# Altium PCB AL1000.PcbDoc (part 7 of 8)
Units mil, origin at the board's own origin, x right, y up, seen from the top; angles counter-clockwise.
Board outline 8277.75 x 4143.89 mil, 4 copper layers (Component Side, Ground Plane, Power Plane, Solder Side), stack 33.234 mil thick; 485 components, 360 nets, 1548 pads, 394 vias.
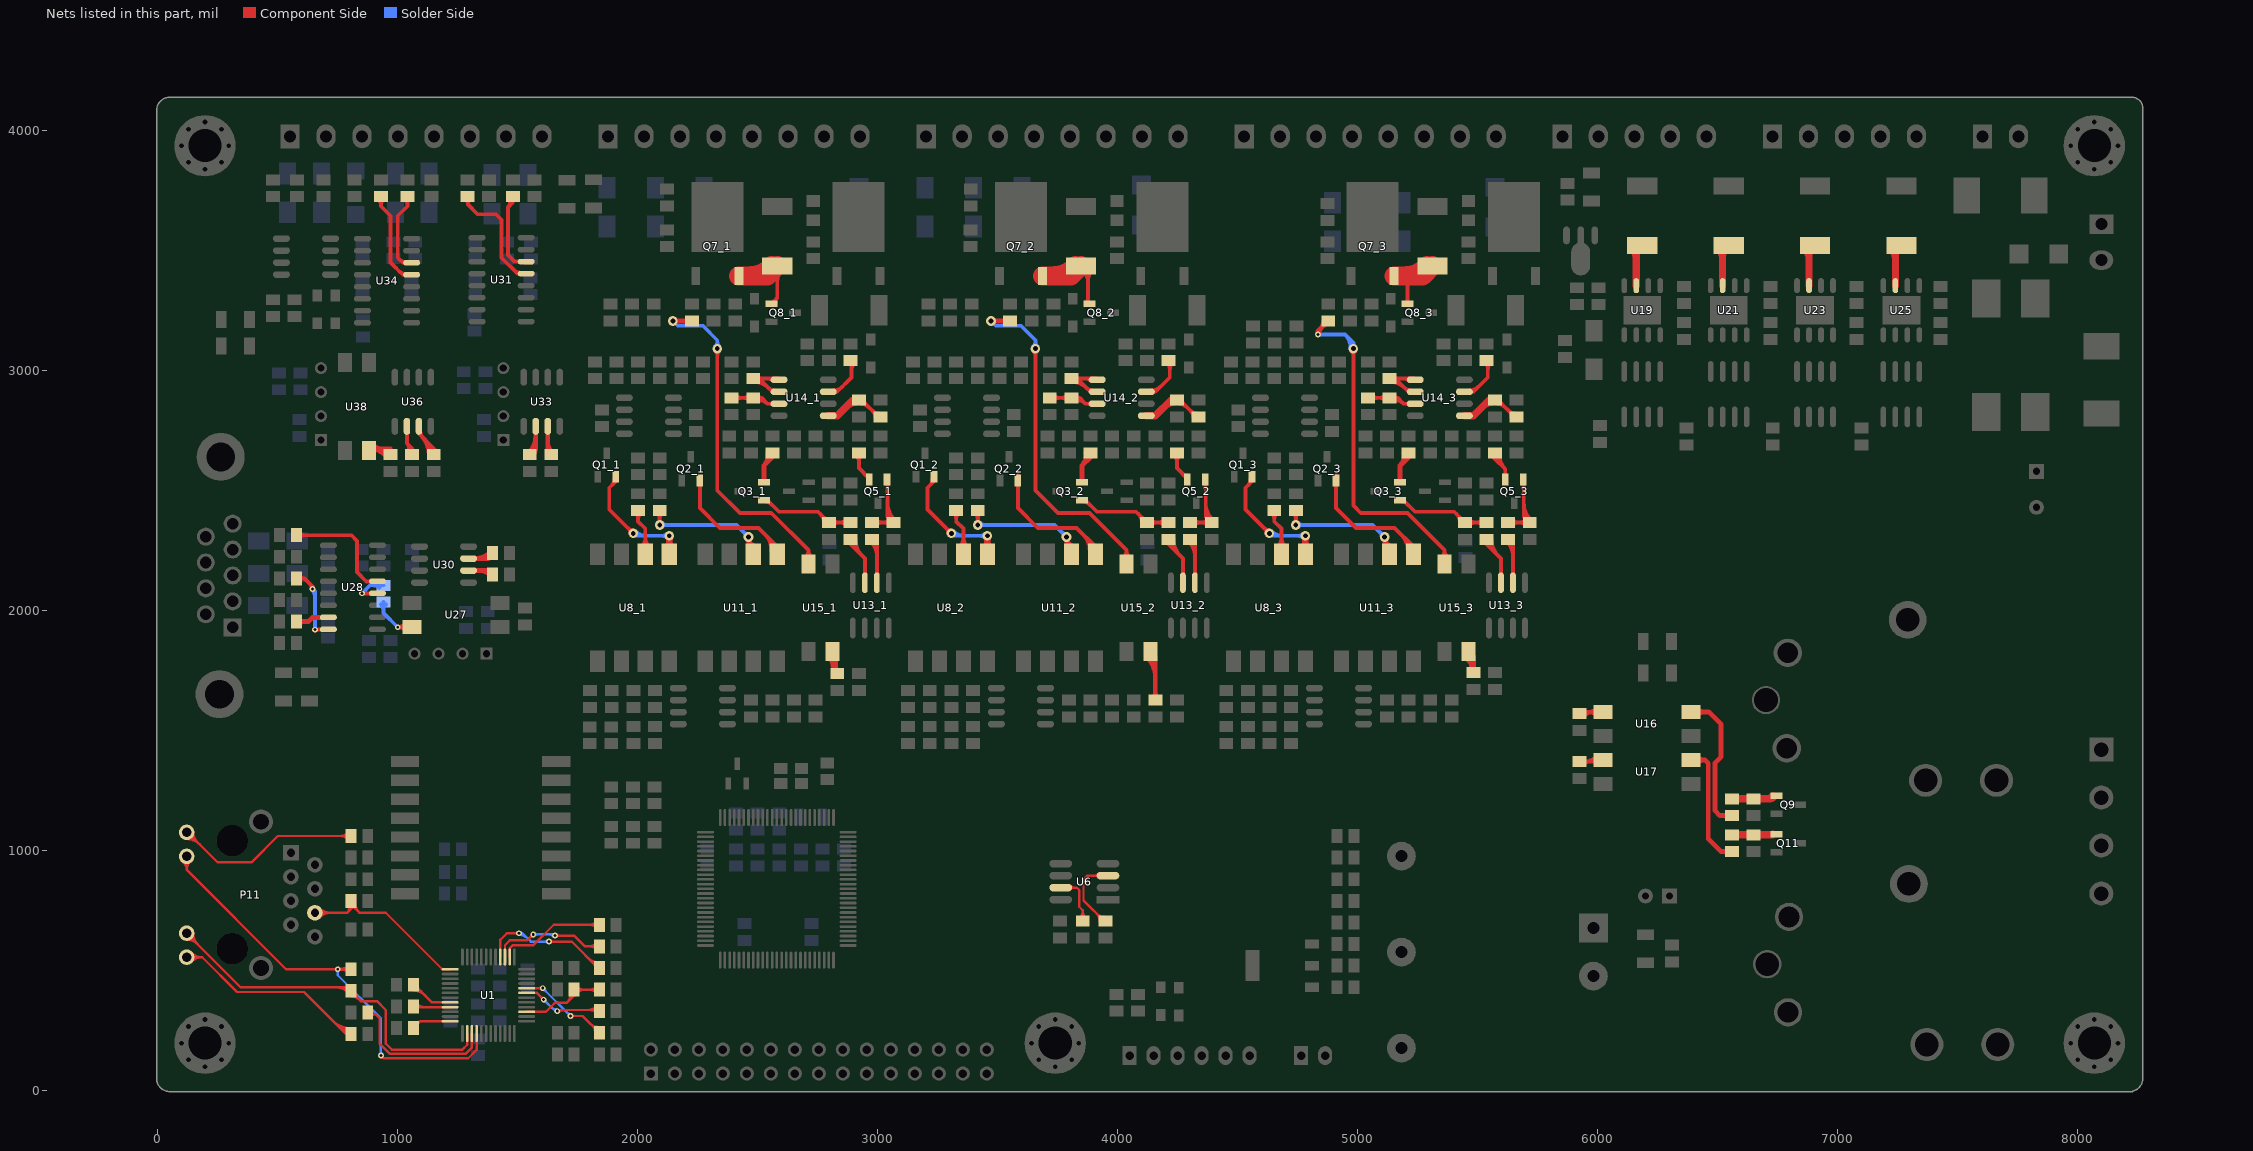
[diagram p9: the nets of this part, all layers, seen from the top]

## Via types
v1: diameter 24, hole 12, Component Side to Solder Side, tented both sides, 224 vias
v2: diameter 40, hole 20, Component Side to Solder Side, tented both sides, 140 vias
v3: diameter 50, hole 24, Component Side to Solder Side, tented both sides, 16 vias
v4: diameter 50, hole 28, Component Side to Solder Side, tented both sides, 10 vias
v5: diameter 50, hole 30, Component Side to Solder Side, tented both sides, 4 vias

## Nets (pads, with @x,y where several pads share a name; then routed paths per layer and width w, separated by ;. In a path a pad name is that pad's centre, name@x,y a point inside that pad or via, vN(x,y) a via of type N, cw(c..) or ccw(c..) an arc to the next point about the centre after c; other vN are vias at no path point) (continued)
NetP11_6: P11.6 R8.1 U1.13 | length 1112.8
  Component Side w10: P11.6@655,740 790,740 ; P11.6@667.37,727.63 cw(c697.25,697.75) 697.25,740 cw(c697.25,782.25) P11.6@667.37,752.37 ; P11.6@674.45,720.55 cw(c721.39,673.61) 721.39,740 cw(c721.39,806.39) P11.6@674.45,759.45 ; R8.1@791.35,772.38 cw(c773.08,756.92) 790,740 ; 797.69,747.69 ccw(c781.41,763.96) R8.1@798.98,778.84 ; R8.1@804.96,766.06 cw(c804.96,744.39) 820.28,759.72 ; 805.37,755.37 ccw(c789.73,771.01) R8.1@806.61,785.3 ; R8.1@812.79,783.66 ccw(c849.8,782.56) 823.62,756.38 ; R8.1@820,770 820,774.96 R8.1@804.96,790 804.96,775.04 R8.1@815,765 ; R8.1@822.79,783.37 ccw(c881.61,781.61) 840,740 ; 1182.24,507.76 ccw(c1188.62,514.15) U1.13@1188.62,505.12 ; U1.13@1218.54,504.61 1185.39,504.61 950,740 840,740 ; 790,740 R8.1@815,765 ; R8.1@815,765 840,740
NetP11_9: P11.9 R10.1 | length 1020.5
  Component Side w10: P11.9@120.08,1047.54 cw(c120.08,969.37) 175.36,1024.64 ; P11.9@120.08,1057.54 cw(c120.08,1003.51) 158.29,1041.71 ; P11.9@120.08,1075.04 124.96,1075.04 250,950 390,950 500,1060 R10.1@804.96,1060 ; P11.9@137.58,1075.04 ccw(c168.05,1075.04) 146.5,1053.5 ; P11.9@147.58,1075.04 ccw(c202.19,1075.04) 163.57,1036.43 ; R10.1@792.35,1047.39 ccw(c761.9,1016.94) 761.9,1060 ccw(c761.9,1103.06) R10.1@792.35,1072.61
NetP11_10: P11.10 R19.1 U1.28 | length 2198.1
  Component Side w10: P11.10@103.54,953.07 cw(c78.59,919.92) 120.08,919.92 ; P11.10@109.56,961.06 cw(c93.68,939.97) 120.08,939.97 cw(c146.48,939.97) P11.10@130.6,961.06 ; P11.10@120.08,975.04 120.08,919.92 ; P11.10@136.62,953.07 ccw(c161.57,919.92) 120.08,919.92 ; v1@745.05,500.05 ccw(c733.1,488.1) 733.1,505 ccw(c733.1,521.9) v1@745.05,509.95 ; v1@753.5,498.94 cw(c767.21,475.19) 774.31,501.68 ; v1@753.5,511.06 ccw(c767.21,534.81) 774.31,508.32 ; v1@754.95,500.05 cw(c766.9,488.1) 766.9,505 cw(c766.9,521.9) v1@754.95,509.95 ; R19.1@792.35,492.39 ccw(c761.9,461.94) 761.9,505 ccw(c761.9,548.06) R19.1@792.35,517.61 ; R19.1@804.96,505 v1(750,505) 535,505 120.08,919.92 ; v1(930,145) 941,134 ; v1@930.42,138.01 cw(c931.25,124.25) 941,134 ; v1@936.99,144.58 ccw(c950.75,143.75) 941,134 ; U1.28@1328.78,236.89 1328.78,168.78 1294,134 941,134
  Solder Side w10: v1@745.05,500.05 cw(c733.1,488.1) 750,488.1 cw(c766.9,488.1) v1@754.95,500.05 ; v1(750,505) 750,480 930,300 v1(930,145) ; v1@925.05,149.95 ccw(c913.1,161.9) 930,161.9 ccw(c946.9,161.9) v1@934.95,149.95
NetP11_11: P11.11 R21.1 U1.26 | length 1876.5
  Component Side w10: P11.11@120.08,627.54 cw(c120.08,561.15) 167.03,608.09 cw(c213.97,655.04) P11.11@147.58,655.04 ; P11.11@120.08,637.54 cw(c120.08,595.29) 149.95,625.17 cw(c179.83,655.04) P11.11@137.58,655.04 ; P11.11@120.08,655.04 345.12,430 788.47,430 803.47,415 R21.1@804.96,415 804.96,413.51 846.41,372.06 912.94,372.06 950,335 950,195 975,170 1269.41,170 1289.41,190 U1.26@1289.41,236.89 ; 740.42,430 cw(c740.42,356.57) R21.1@792.35,408.49 ; 764.57,430 cw(c764.57,380.71) R21.1@799.42,415.56 ; R21.1@783.38,430 ccw(c783.38,442.68) R21.1@792.35,433.71 ; R21.1@804.96,391.06 cw(c804.96,336.88) 843.28,375.19 ; R21.1@804.96,401.06 cw(c804.96,371.02) R21.1@826.21,392.26 ; R21.1@822.8,408.9 ccw(c854.72,408.9) 832.15,386.32
NetP11_12: P11.12 R9.1 | length 1201.4
  Component Side w10: P11.12@120.08,555.04 184.96,555.04 ; P11.12@132.66,542.87 cw(c161.37,515.09) 161.37,555.04 cw(c161.37,594.99) P11.12@132.66,567.21 ; P11.12@139.84,535.92 cw(c184.96,492.26) 184.96,555.04 ; P11.12@139.84,574.16 ccw(c184.96,617.82) 184.96,555.04 ; 730.02,289.98 ccw(c804.96,364.92) R9.1@804.96,258.94 ; 747.09,272.91 ccw(c804.96,330.77) R9.1@804.96,248.94 ; 764.16,255.84 ccw(c804.96,296.63) R9.1@804.96,238.94 ; 781.24,238.76 ccw(c804.96,262.49) R9.1@804.96,228.94 ; R9.1@804.96,235 785,235 610,410 330,410 184.96,555.04
NetQ1_1_2: Q1_1.2 U8_1.1 | length 910.8
  Component Side w16: 1893.96,2523.57 ccw(c1871.19,2546.34) Q1_1.2@1903.39,2546.34 ; Q1_1.2@1909.17,2557.17 1909.17,2538.78 1881.77,2511.38 1881.77,2421.38 v2(1981.77,2321.38) ; v2@1969.77,2321.38 ccw(c1940.8,2321.38) 1961.29,2341.86 ccw(c1981.77,2362.35) v2@1981.77,2333.38 ; U8_1.1@2115.16,2264.25 ccw(c2075.05,2304.36) 2131.77,2304.36 ccw(c2188.5,2304.36) U8_1.1@2148.39,2264.25 ; v2@2121.43,2305.34 cw(c2091.83,2287.94) U8_1.1@2124.99,2279.06 ; v2@2123.29,2302.93 cw(c2102.8,2282.45) 2131.77,2282.45 cw(c2160.74,2282.45) v2@2140.26,2302.93 ; v2@2125.77,2301.03 cw(c2114.4,2281.33) 2136.37,2287.22 ; 2127.18,2287.22 cw(c2149.14,2281.33) v2@2137.77,2301.03 ; U8_1.1@2131.77,2233.86 v2(2131.77,2311.42) ; U8_1.1@2138.55,2279.06 cw(c2171.71,2287.94) v2@2142.12,2305.34
  Solder Side w16: v2(1981.77,2321.38) 1991.73,2311.42 v2(2131.77,2311.42) ; v2@1990.26,2329.86 ccw(c2034.79,2374.4) 2034.79,2311.42 ; v2@2123.29,2302.93 ccw(c2102.8,2282.45) 2102.8,2311.42 ccw(c2102.8,2340.39) v2@2123.29,2319.9
NetQ1_2_2: Q1_2.2 U8_2.1 | length 910.8
  Component Side w16: 3219.55,2523.57 ccw(c3196.78,2546.34) Q1_2.2@3228.98,2546.34 ; Q1_2.2@3234.76,2557.17 3234.76,2538.78 3207.36,2511.38 3207.36,2421.38 v2(3307.36,2321.38) ; v2@3295.36,2321.38 ccw(c3266.39,2321.38) 3286.88,2341.86 ccw(c3307.36,2362.35) v2@3307.36,2333.38 ; U8_2.1@3440.75,2264.25 ccw(c3400.64,2304.36) 3457.36,2304.36 ccw(c3514.09,2304.36) U8_2.1@3473.98,2264.25 ; v2@3447.02,2305.34 cw(c3417.42,2287.94) U8_2.1@3450.58,2279.06 ; v2@3448.88,2302.93 cw(c3428.39,2282.45) 3457.36,2282.45 cw(c3486.33,2282.45) v2@3465.85,2302.93 ; v2@3451.36,2301.03 cw(c3439.99,2281.33) 3461.96,2287.22 ; 3452.77,2287.22 cw(c3474.73,2281.33) v2@3463.36,2301.03 ; U8_2.1@3457.36,2233.86 v2(3457.36,2311.42) ; U8_2.1@3464.14,2279.06 cw(c3497.3,2287.94) v2@3467.71,2305.34
  Solder Side w16: v2(3307.36,2321.38) 3317.32,2311.42 v2(3457.36,2311.42) ; v2@3315.85,2329.86 ccw(c3360.38,2374.4) 3360.38,2311.42 ; v2@3448.88,2302.93 ccw(c3428.39,2282.45) 3428.39,2311.42 ccw(c3428.39,2340.39) v2@3448.88,2319.9
NetQ1_3_2: Q1_3.2 U8_3.1 | length 910.8
  Component Side w16: 4545.14,2523.57 ccw(c4522.37,2546.34) Q1_3.2@4554.57,2546.34 ; Q1_3.2@4560.35,2557.17 4560.35,2538.78 4532.95,2511.38 4532.95,2421.38 v2(4632.95,2321.38) ; v2@4620.95,2321.38 ccw(c4591.98,2321.38) 4612.47,2341.86 ccw(c4632.95,2362.35) v2@4632.95,2333.38 ; U8_3.1@4766.34,2264.25 ccw(c4726.23,2304.36) 4782.95,2304.36 ccw(c4839.68,2304.36) U8_3.1@4799.57,2264.25 ; v2@4772.61,2305.34 cw(c4743.01,2287.94) U8_3.1@4776.17,2279.06 ; v2@4774.47,2302.93 cw(c4753.98,2282.45) 4782.95,2282.45 cw(c4811.92,2282.45) v2@4791.44,2302.93 ; v2@4776.95,2301.03 cw(c4765.58,2281.33) 4787.55,2287.22 ; 4778.36,2287.22 cw(c4800.32,2281.33) v2@4788.95,2301.03 ; U8_3.1@4782.95,2233.86 v2(4782.95,2311.42) ; U8_3.1@4789.73,2279.06 cw(c4822.89,2287.94) v2@4793.3,2305.34
  Solder Side w16: v2(4632.95,2321.38) 4642.91,2311.42 v2(4782.95,2311.42) ; v2@4641.44,2329.86 ccw(c4685.97,2374.4) 4685.97,2311.42 ; v2@4774.47,2302.93 ccw(c4753.98,2282.45) 4753.98,2311.42 ccw(c4753.98,2340.39) v2@4774.47,2319.9
NetQ2_1_2: Q2_1.2 U11_1.1 | length 679.1
  Component Side w16: Q2_1.2@2255.09,2527.29 cw(c2243.78,2515.98) 2259.77,2515.98 ; Q2_1.2@2259.17,2542.2 2259.77,2541.61 2259.77,2426.61 2341.93,2344.45 2503.7,2344.45 2581.77,2266.38 U11_1.1@2581.77,2233.86 ; 2528.41,2319.74 cw(c2456.31,2247.64) U11_1.1@2558.28,2247.64 ; 2555.72,2292.43 cw(c2510.94,2247.64) U11_1.1@2574.28,2247.64
NetQ2_2_2: Q2_2.2 U11_2.1 | length 699.1
  Component Side w16: Q2_2.2@3580.68,2527.29 cw(c3569.37,2515.98) 3585.36,2515.98 ; Q2_2.2@3584.76,2562.2 Q2_2.2@3584.76,2542.2 3585.36,2541.61 3585.36,2426.61 3667.52,2344.45 3829.29,2344.45 3907.36,2266.38 U11_2.1@3907.36,2233.86 ; 3854,2319.74 cw(c3781.9,2247.64) U11_2.1@3883.87,2247.64 ; 3881.31,2292.43 cw(c3836.53,2247.64) U11_2.1@3899.87,2247.64
NetQ2_3_2: Q2_3.2 U11_3.1 | length 699.1
  Component Side w16: Q2_3.2@4906.27,2527.29 cw(c4894.96,2515.98) 4910.95,2515.98 ; Q2_3.2@4910.35,2562.2 Q2_3.2@4910.35,2542.2 4910.95,2541.61 4910.95,2426.61 4993.11,2344.45 5154.88,2344.45 5232.95,2266.38 U11_3.1@5232.95,2233.86 ; 5179.59,2319.74 cw(c5107.49,2247.64) U11_3.1@5209.46,2247.64 ; 5206.91,2292.43 cw(c5162.12,2247.64) U11_3.1@5225.46,2247.64
NetQ3_1_1: Q3_1.1 R50_1.2 R54_1.1 | length 586.7
  Component Side w16: Q3_1.1@2525.98,2458.98 2540.94,2458.98 2588.47,2411.45 2751.74,2411.45 R54_1.1@2796.77,2366.42 R50_1.2@2886.77,2366.42 ; Q3_1.1@2536.81,2453.2 cw(c2536.81,2429.27) 2553.73,2446.19 ; 2761.03,2402.16 cw(c2725.29,2366.42) R54_1.1@2775.83,2366.42 ; R54_1.1@2775.76,2387.43 ccw(c2790.67,2402.33) R54_1.1@2790.67,2381.25 ; R54_1.1@2813.36,2355.93 cw(c2838.69,2330.6) 2838.69,2366.42 cw(c2838.69,2402.23) R54_1.1@2813.36,2376.91 ; R50_1.2@2870.18,2355.93 ccw(c2844.86,2330.6) 2844.86,2366.42 ccw(c2844.86,2402.23) R50_1.2@2870.18,2376.91
NetQ3_1_2: Q3_1.2 R46_1.2 | length 220.4
  Component Side w20: Q3_1.2@2525.98,2533.78 2525.98,2603.78 ; R46_1.2@2542.96,2654.55 cw(c2483.59,2646.18) 2525.99,2603.78 ; 2554.34,2632.13 ccw(c2533.28,2653.18) R46_1.2@2562.76,2657.34 ; R46_1.2@2561.77,2656.34 2561.77,2639.57 2525.98,2603.78
NetQ3_2_1: Q3_2.1 R50_2.2 R54_2.1 | length 586.7
  Component Side w16: Q3_2.1@3851.57,2458.98 3866.53,2458.98 3914.06,2411.45 4077.33,2411.45 R54_2.1@4122.36,2366.42 R50_2.2@4212.36,2366.42 ; Q3_2.1@3862.4,2453.2 cw(c3862.4,2429.27) 3879.32,2446.19 ; 4086.62,2402.16 cw(c4050.88,2366.42) R54_2.1@4101.43,2366.42 ; R54_2.1@4101.35,2387.43 ccw(c4116.26,2402.33) R54_2.1@4116.26,2381.25 ; R54_2.1@4138.95,2355.93 cw(c4164.28,2330.6) 4164.28,2366.42 cw(c4164.28,2402.23) R54_2.1@4138.95,2376.91 ; R50_2.2@4195.77,2355.93 ccw(c4170.45,2330.6) 4170.45,2366.42 ccw(c4170.45,2402.23) R50_2.2@4195.77,2376.91
NetQ3_2_2: Q3_2.2 R46_2.2 | length 220.4
  Component Side w20: Q3_2.2@3851.57,2533.78 3851.57,2603.78 ; R46_2.2@3868.55,2654.55 cw(c3809.18,2646.18) 3851.58,2603.78 ; 3879.93,2632.13 ccw(c3858.88,2653.18) R46_2.2@3888.36,2657.34 ; R46_2.2@3887.36,2656.34 3887.36,2639.57 3851.57,2603.78
NetQ3_3_1: Q3_3.1 R50_3.2 R54_3.1 | length 586.7
  Component Side w16: Q3_3.1@5177.17,2458.98 5192.12,2458.98 5239.65,2411.45 5402.92,2411.45 R54_3.1@5447.95,2366.42 R50_3.2@5537.95,2366.42 ; Q3_3.1@5187.99,2453.2 cw(c5187.99,2429.27) 5204.91,2446.19 ; 5412.21,2402.16 cw(c5376.47,2366.42) R54_3.1@5427.02,2366.42 ; R54_3.1@5426.94,2387.43 ccw(c5441.85,2402.33) R54_3.1@5441.85,2381.25 ; R54_3.1@5464.54,2355.93 cw(c5489.87,2330.6) 5489.87,2366.42 cw(c5489.87,2402.23) R54_3.1@5464.54,2376.91 ; R50_3.2@5521.36,2355.93 ccw(c5496.04,2330.6) 5496.04,2366.42 ccw(c5496.04,2402.23) R50_3.2@5521.36,2376.91
NetQ3_3_2: Q3_3.2 R46_3.2 | length 220.4
  Component Side w20: Q3_3.2@5177.17,2533.78 5177.17,2603.78 5212.95,2639.57 R46_3.2@5212.95,2656.34 ; 5177.17,2603.78 ccw(c5134.77,2646.18) R46_3.2@5194.14,2654.55 ; 5205.52,2632.13 ccw(c5184.47,2653.18) R46_3.2@5213.95,2657.34
NetQ5_1_1: Q5_1.1 R52_1.2 R61_1.1 | length 576.9
  Component Side w16: R52_1.2@2976.77,2366.42 R61_1.1@3066.77,2366.42 3041.77,2391.42 ; R52_1.2@2993.36,2355.93 cw(c3018.69,2330.6) 3018.69,2366.42 cw(c3018.69,2402.23) R52_1.2@2993.36,2376.91 ; Q5_1.1@3035.09,2530.68 cw(c3018.95,2514.54) 3041.77,2514.54 ; Q5_1.1@3039.17,2545.59 3041.77,2542.99 3041.77,2391.42 ; 3041.77,2409.23 ccw(c3103.48,2409.23) R61_1.1@3059.85,2365.59 ; 3041.77,2447.85 ccw(c3142.11,2447.85) R61_1.1@3071.16,2376.91 ; R61_1.1@3045.76,2387.43 ccw(c3060.67,2402.33) R61_1.1@3060.67,2381.25 ; R61_1.1@3046.59,2371.09 ccw(c3027.7,2377.35) 3041.77,2391.42 ; R61_1.1@3050.18,2355.93 ccw(c3024.86,2330.6) 3024.86,2366.42 ccw(c3024.86,2402.23) R61_1.1@3050.18,2376.91
NetQ5_1_2: Q5_1.2 R57_1.2 | length 201.7
  Component Side w16: R57_1.2@2911.28,2645.85 cw(c2885.96,2620.52) 2921.77,2620.52 cw(c2957.59,2620.52) R57_1.2@2932.26,2645.85 ; R57_1.2@2921.77,2656.34 2921.77,2593.19 Q5_1.2@2964.37,2550.59 ; 2944.56,2570.4 ccw(c2964.37,2590.22) Q5_1.2@2964.37,2562.2
NetQ5_2_1: Q5_2.1 R52_2.2 R61_2.1 | length 576.9
  Component Side w16: R52_2.2@4302.36,2366.42 R61_2.1@4392.36,2366.42 4367.36,2391.42 ; R52_2.2@4318.95,2355.93 cw(c4344.28,2330.6) 4344.28,2366.42 cw(c4344.28,2402.23) R52_2.2@4318.95,2376.91 ; Q5_2.1@4360.68,2530.68 cw(c4344.54,2514.54) 4367.36,2514.54 ; Q5_2.1@4364.76,2545.59 4367.36,2542.99 4367.36,2391.42 ; 4367.36,2409.23 ccw(c4429.07,2409.23) R61_2.1@4385.44,2365.59 ; 4367.36,2447.85 ccw(c4467.7,2447.85) R61_2.1@4396.75,2376.91 ; R61_2.1@4371.35,2387.43 ccw(c4386.26,2402.33) R61_2.1@4386.26,2381.25 ; R61_2.1@4372.18,2371.09 ccw(c4353.29,2377.35) 4367.36,2391.42 ; R61_2.1@4375.77,2355.93 ccw(c4350.45,2330.6) 4350.45,2366.42 ccw(c4350.45,2402.23) R61_2.1@4375.77,2376.91
NetQ5_2_2: Q5_2.2 R57_2.2 | length 201.7
  Component Side w16: R57_2.2@4236.87,2645.85 cw(c4211.55,2620.52) 4247.36,2620.52 cw(c4283.18,2620.52) R57_2.2@4257.85,2645.85 ; R57_2.2@4247.36,2656.34 4247.36,2593.19 Q5_2.2@4289.96,2550.59 ; 4270.15,2570.4 ccw(c4289.96,2590.22) Q5_2.2@4289.96,2562.2
NetQ5_3_1: Q5_3.1 R52_3.2 R61_3.1 | length 576.9
  Component Side w16: R52_3.2@5627.95,2366.42 R61_3.1@5717.95,2366.42 5692.95,2391.42 ; R52_3.2@5644.54,2355.93 cw(c5669.87,2330.6) 5669.87,2366.42 cw(c5669.87,2402.23) R52_3.2@5644.54,2376.91 ; Q5_3.1@5686.27,2530.68 cw(c5670.13,2514.54) 5692.95,2514.54 ; Q5_3.1@5690.35,2545.59 5692.95,2542.99 5692.95,2391.42 ; 5692.95,2409.23 ccw(c5754.66,2409.23) R61_3.1@5711.03,2365.59 ; 5692.95,2447.85 ccw(c5793.29,2447.85) R61_3.1@5722.34,2376.91 ; R61_3.1@5696.94,2387.43 ccw(c5711.85,2402.33) R61_3.1@5711.85,2381.25 ; R61_3.1@5697.77,2371.09 ccw(c5678.89,2377.35) 5692.95,2391.42 ; R61_3.1@5701.36,2355.93 ccw(c5676.04,2330.6) 5676.04,2366.42 ccw(c5676.04,2402.23) R61_3.1@5701.36,2376.91
NetQ5_3_2: Q5_3.2 R57_3.2 | length 322.9
  Component Side w16: R57_3.2@5562.05,2658.68 ccw(c5589.88,2654.85) R57_3.2@5570.01,2634.99 ; R57_3.2@5566.18,2643.14 cw(c5560.48,2632.05) 5572.95,2632.05 ; R57_3.2@5572.95,2656.34 5572.95,2632.05 ; R57_3.2@5577.9,2656.5 ccw(c5629.89,2649.33) 5592.78,2612.22 ; R57_3.2@5579.73,2643.14 ccw(c5585.42,2632.05) 5572.95,2632.05 ; R57_3.2@5593.75,2654.31 ccw(c5669.91,2643.82) 5615.55,2589.45 ; Q5_3.2@5611.46,2560.5 ccw(c5601.6,2570.37) 5615.55,2570.37 ccw(c5629.5,2570.37) Q5_3.2@5619.64,2560.5 ; Q5_3.2@5615.55,2545.59 5615.55,2589.45 ; 5572.95,2632.05 5615.55,2589.45
NetQ7_1_3: Q7_1.3 Q8_1.1 R63_1.1 | length 622.8
  Component Side w16: Q8_1.1@2557.56,3278.82 2581.77,3303.03 ; R63_1.1@2562.37,3416.98 cw(c2515.54,3370.15) 2581.77,3370.15 cw(c2648,3370.15) R63_1.1@2601.17,3416.98 ; Q8_1.1@2574.1,3279.69 cw(c2601.03,3283.77) 2581.77,3303.03 ; R63_1.1@2581.77,3436.38 2581.77,3303.03
  Component Side w80: Q7_1.3@2421.54,3394.21 2539.61,3394.21 R63_1.1@2581.77,3436.38 ; 2463.44,3394.21 ccw(c2463.44,3527.15) R63_1.1@2557.44,3433.15 ; 2542.52,3397.13 ccw(c2503.27,3436.38) R63_1.1@2558.78,3436.38
NetQ7_2_3: Q7_2.3 Q8_2.1 R63_2.1 | length 626.6
  Component Side w16: R63_2.1@3847.36,3436.38 3877.36,3406.38 3877.36,3284.61 Q8_2.1@3883.15,3278.82 ; R63_2.1@3855.52,3416.98 cw(c3802.8,3364.26) 3877.36,3364.26 ; Q8_2.1@3868.24,3282.91 ccw(c3846.2,3304.94) 3877.36,3304.94 ; 3877.36,3376.04 cw(c3935.26,3376.04) R63_2.1@3894.32,3416.98
  Component Side w80: Q7_2.3@3687.13,3394.21 3805.2,3394.21 R63_2.1@3847.36,3436.38 ; 3729.03,3394.21 ccw(c3729.03,3527.15) R63_2.1@3823.03,3433.15 ; 3808.11,3397.13 ccw(c3768.86,3436.38) R63_2.1@3824.37,3436.38
NetQ7_3_3: Q7_3.3 Q8_3.1 R63_3.1 | length 622.2
  Component Side w16: Q8_3.1@5204.65,3282.91 ccw(c5194.79,3292.77) 5208.74,3292.77 ccw(c5222.69,3292.77) Q8_3.1@5212.83,3282.91 ; Q8_3.1@5208.74,3278.82 5208.74,3370 5232.95,3394.21
  Component Side w80: Q7_3.3@5152.72,3394.21 5232.95,3394.21 ; 5194.62,3394.21 ccw(c5194.62,3527.15) R63_3.1@5288.62,3433.15 ; 5273.7,3397.13 ccw(c5234.45,3436.38) R63_3.1@5289.96,3436.38 ; R63_3.1@5312.95,3436.38 5270.79,3394.21 5232.95,3394.21 ; 5232.95,3394.21 ccw(c5232.95,3454.15) 5289.72,3434.91 cw(c5232.95,3454.15) 5232.95,3394.21
NetQ9_1: Q9.1 R70.2 R72.1 | length 229.3
  Component Side w30: R70.2@6560,1215.04 R72.1@6650,1215.04 6718.43,1215.04 ; 6708.06,1215.04 ccw(c6708.06,1254.3) Q9.1@6735.82,1226.54 ; Q9.1@6730.79,1227.4 6718.43,1215.04 ; Q9.1@6736.09,1226.94 cw(c6718.43,1234.1) 6718.43,1215.04
NetQ11_1: Q11.1 R71.2 R73.1 | length 171.8
  Component Side w30: R71.2@6560,1065.04 R73.1@6650,1065.04 6728.43,1065.04 Q11.1@6730.79,1067.4
NetR2_1: R2.1 R16.1 U1.39 | length 602.9
  Component Side w10: U1.39@1537.44,327.44 1617.44,327.44 1655,365 1705,365 ; 1717.66,377.66 ccw(c1691.72,403.61) R2.1@1727.42,412.09 ; R2.1@1717.69,409.78 cw(c1671.26,398.75) 1705,365 ; 1730.33,390.33 ccw(c1712.18,408.47) R2.1@1737.15,414.4 ; R2.1@1747.65,407.39 cw(c1778.1,376.94) 1778.1,420 cw(c1778.1,463.06) R2.1@1747.65,432.61 ; R16.1@1827.35,407.39 ccw(c1796.9,376.94) 1796.9,420 ccw(c1796.9,463.06) R16.1@1827.35,432.61 ; R16.1@1839.96,420 R2.1@1735.04,420 1735.04,395.04 1705,365
NetR11_1: R11.1 U1.2 | length 531.2
  Component Side w10: U1.2@1466.57,555.79 1466.57,592.2 1478.59,604.22 1564.22,604.22 1650,690 R11.1@1839.96,690 ; U1.2@1467.09,585.71 cw(c1484,585.71) 1472.04,597.67 ; R11.1@1827.35,677.39 ccw(c1796.9,646.94) 1796.9,690 ccw(c1796.9,733.06) R11.1@1827.35,702.61
NetR12_1: R12.1 U1.3 | length 655.6
  Component Side w10: U1.3@1446.89,555.79 1446.89,605 1466.89,625 1540,625 v1(1565,650) ; v1@1558,650 cw(c1541.1,650) 1553.05,638.05 cw(c1565,626.1) v1@1565,643 ; v1(1655,645) 1735,645 1780,600 R12.1@1839.96,600 ; v1@1659.95,640.05 cw(c1671.9,628.1) 1671.9,645 cw(c1671.9,661.9) v1@1659.95,649.95 ; R12.1@1827.35,587.39 ccw(c1796.9,556.94) 1796.9,600 ccw(c1796.9,643.06) R12.1@1827.35,612.61
  Solder Side w10: v1(1565,650) 1650,650 v1(1655,645) ; v1@1569.95,645.05 cw(c1581.9,633.1) 1581.9,650 cw(c1581.9,666.9) v1@1569.95,654.95 ; 1626.03,650 cw(c1626.03,616.03) v1@1650.05,640.05
NetR13_1: R13.1 U1.4 | length 825.3
  Component Side w10: U1.4@1427.2,555.79 1427.2,627.2 1455,655 v1(1505,655) ; v1@1500.05,650.05 ccw(c1488.1,638.1) 1488.1,655 ccw(c1488.1,671.9) v1@1500.05,659.95 ; v1(1630,620) 1725,620 1835,510 R13.1@1839.96,510 ; v1@1634.95,615.05 cw(c1646.9,603.1) 1646.9,620 cw(c1646.9,636.9) v1@1634.95,624.95 ; 1790.63,554.37 ccw(c1839.96,603.7) R13.1@1839.96,533.94 ; 1807.7,537.3 ccw(c1839.96,569.56) R13.1@1839.96,523.94 ; R13.1@1817.34,527.66 cw(c1805.78,516.1) R13.1@1822.13,516.1
  Solder Side w10: v1@1505,648 cw(c1505,594.89) 1542.56,632.44 ; v1(1505,655) 1520,655 ; v1@1505,658 cw(c1505,629.03) 1525.49,649.51 ; v1@1510.37,650.5 cw(c1520,642.43) 1520,655 ; v1@1510.37,659.5 ccw(c1520,667.57) 1520,655 ; v1@1625.05,615.05 ccw(c1613.1,603.1) 1613.1,620 ccw(c1613.1,636.9) v1@1625.05,624.95 ; v1(1630,620) 1555,620 1520,655
NetR14_1: R14.1 U1.43 | length 515.6
  Component Side w10: U1.43@1537.44,406.18 1580,406.18 v1(1608.09,378.09) ; v1@1601.09,378.09 ccw(c1584.19,378.09) 1596.14,390.04 ccw(c1608.09,401.99) v1@1608.09,385.09 ; v1(1665,330) 1670,335 1834.96,335 R14.1@1839.96,330 ; v1@1669.95,325.05 cw(c1693.97,301.03) 1693.97,335 ; 1794.24,335 ccw(c1794.24,381.82) R14.1@1827.35,348.71 ; 1799.57,335 cw(c1799.57,295.71) R14.1@1827.35,323.49
  Solder Side w10: v1@1608.09,371.09 cw(c1608.09,354.19) 1620.04,366.14 cw(c1631.99,378.09) v1@1615.09,378.09 ; v1(1608.09,378.09) 1656.18,330 v1(1665,330) ; 1638,348.19 ccw(c1665,375.19) v1@1665,337
NetR15_1: R15.1 U1.44 | length 579.7
  Component Side w10: U1.44@1537.44,425.87 v1(1604.13,425.87) ; v1@1599.18,420.92 ccw(c1587.23,408.97) 1587.23,425.87 ccw(c1587.23,442.77) v1@1599.18,430.82 ; v1(1720.36,310) 1769.96,310 R15.1@1839.96,240 ; v1@1725.31,305.05 cw(c1737.25,293.1) 1737.25,310 cw(c1737.25,326.9) v1@1725.31,314.95 ; 1799.1,280.86 ccw(c1839.96,321.73) R15.1@1839.96,263.94 ; 1813.83,266.13 cw(c1793.8,246.1) R15.1@1822.13,246.1 ; 1816.17,263.79 ccw(c1839.96,287.58) R15.1@1839.96,253.94
  Solder Side w10: v1@1604.13,418.87 cw(c1604.13,401.11) 1616.69,413.67 ; v1(1604.13,425.87) 1604.49,425.87 v1(1720.36,310) ; v1@1611.13,425.87 ccw(c1627.18,425.87) 1615.83,414.52 ; v1@1713.36,310 ccw(c1696.46,310) 1708.41,321.95 ccw(c1720.36,333.9) v1@1720.36,317
NetR17_1: R17.1 U1.21 | length 244.9